# Allegro board buddy_lay_rev1.brd (continued)
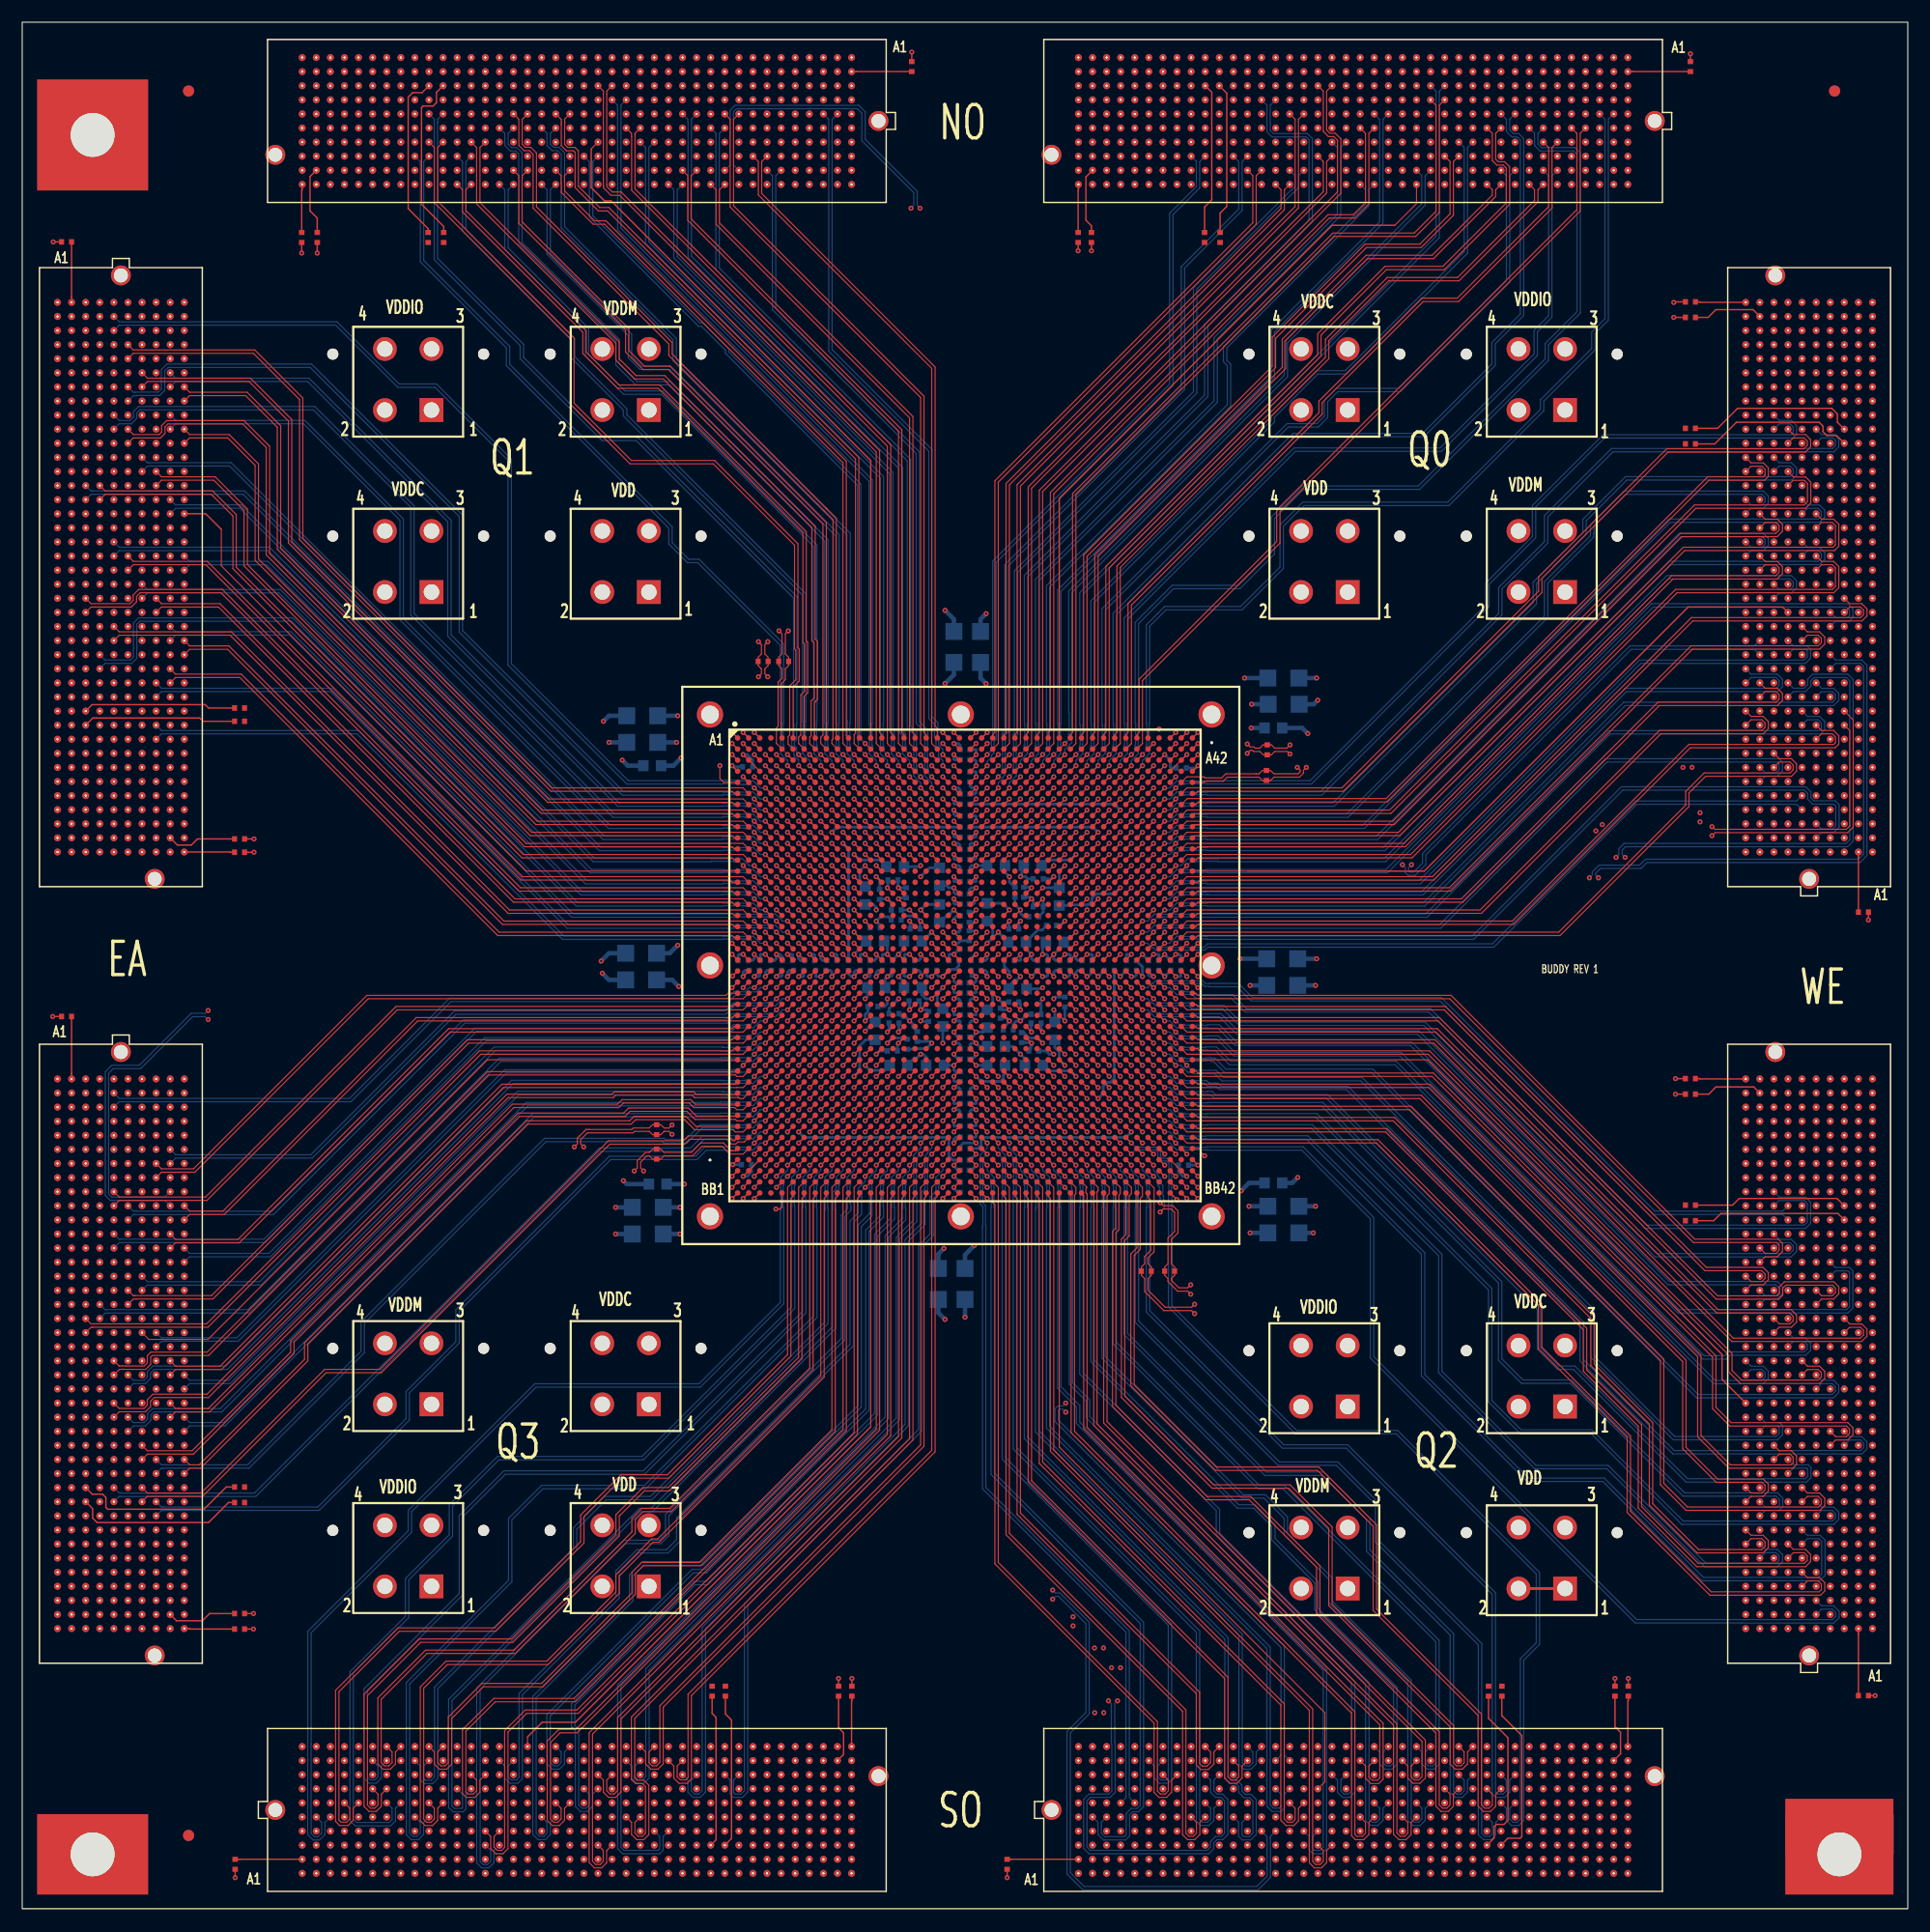
[diagram p0: board, top side]
## Nets (continued)
J8.G23(GND#G23) J8.G26(GND#G26) J8.G29(GND#G29) J8.G32(GND#G32) J8.G35(GND#G35) J8.G38(GND#G38) J8.G40(GND#G40) J8.H2(PRSNT_M2C_L) J8.H3(GND#H3) J8.H6(GND#H6) J8.H9(GND#H9) J8.H12(GND#H12) J8.H15(GND#H15) J8.H18(GND#H18) J8.H21(GND#H21) J8.H24(GND#H24) J8.H27(GND#H27) J8.H30(GND#H30) J8.H33(GND#H33) J8.H36(GND#H36) J8.H39(GND#H39) J8.J1(GND#J1) J8.J4(GND#J4) J8.J5(GND#J5) J8.J8(GND#J8) J8.J11(GND#J11) J8.J14(GND#J14) J8.J17(GND#J17) J8.J20(GND#J20) J8.J23(GND#J23) J8.J26(GND#J26) J8.J29(GND#J29) J8.J32(GND#J32) J8.J35(GND#J35) J8.J38(GND#J38) J8.J40(GND#J40) J8.K2(GND#K2) J8.K3(GND#K3) J8.K6(GND#K6) J8.K9(GND#K9) J8.K12(GND#K12) J8.K15(GND#K15) J8.K18(GND#K18) J8.K21(GND#K21) J8.K24(GND#K24) J8.K27(GND#K27) J8.K30(GND#K30) J8.K33(GND#K33) J8.K36(GND#K36) J8.K39(GND#K39) J9.1 J9.2 J10.1 J10.2 J11.1 J11.2 J12.1 J12.2 J13.1 J13.2 J14.1 J14.2 J15.1 J15.2 J16.1 J16.2 J17.1 J17.2 J18.1 J18.2 J19.1 J19.2 J20.1 J20.2 J21.1 J21.2 J22.1 J22.2 J23.1 J23.2 J24.1 J24.2 U1.A2(VSS90) U1.A3(VSS95) U1.A20(VSS92) U1.A23(VSS91) U1.A40(VSS93) U1.A41(VSS94) U1.AA2(VSS269) U1.AA4(VSS263) U1.AA6(VSS259) U1.AA8(VSS266) U1.AA10(VSS255) U1.AA12(VSS261) U1.AA14(VSS267) U1.AA16(VSS260) U1.AA18(VSS256) U1.AA20(VSS254) U1.AA23(VSS262) U1.AA25(VSS252) U1.AA27(VSS265) U1.AA29(VSS253) U1.AA31(VSS271) U1.AA33(VSS257) U1.AA35(VSS268) U1.AA37(VSS270) U1.AA39(VSS264) U1.AA41(VSS258) U1.AB2(VSS137) U1.AB4(VSS132) U1.AB6(VSS141) U1.AB8(VSS139) U1.AB10(VSS145) U1.AB12(VSS134) U1.AB14(VSS140) U1.AB16(VSS149) U1.AB18(VSS144) U1.AB20(VSS146) U1.AB23(VSS133) U1.AB25(VSS147) U1.AB27(VSS131) U1.AB29(VSS148) U1.AB31(VSS136) U1.AB33(VSS143) U1.AB35(VSS138) U1.AB37(VSS135) U1.AB39(VSS130) U1.AB41(VSS142) U1.AC1(VSS114) U1.AC2(VSS115) U1.AC19(VSS117) U1.AC21(VSS110) U1.AC22(VSS112) U1.AC24(VSS113) U1.AC41(VSS111) U1.AC42(VSS116) U1.AD4(VSS98) U1.AD20(VSS99) U1.AD23(VSS96) U1.AD39(VSS97) U1.AE3(VSS218) U1.AE17(VSS219) U1.AE21(VSS220) U1.AE22(VSS222) U1.AE26(VSS223) U1.AE40(VSS221) U1.AF6(VSS121) U1.AF18(VSS120) U1.AF25(VSS119) U1.AF37(VSS118) U1.AG5(VSS66) U1.AG15(VSS67) U1.AG21(VSS69) U1.AG22(VSS68) U1.AG28(VSS64) U1.AG38(VSS65) U1.AH8(VSS32) U1.AH16(VSS33) U1.AH27(VSS30) U1.AH35(VSS31) U1.AJ7(VSS215) U1.AJ9(VSS210) U1.AJ13(VSS217) U1.AJ21(VSS211) U1.AJ22(VSS213) U1.AJ30(VSS214) U1.AJ34(VSS212) U1.AJ36(VSS216) U1.AK14(VSS163) U1.AK29(VSS162) U1.AL9(VSS14) U1.AL11(VSS13) U1.AL21(VSS15) U1.AL22(VSS10) U1.AL32(VSS12) U1.AL34(VSS11) U1.AM9(VSS154) U1.AM10(VSS155) U1.AM12(VSS151) U1.AM31(VSS150) U1.AM33(VSS153) U1.AM34(VSS152) U1.AN9(VSS176) U1.AN11(VSS175) U1.AN21(VSS177) U1.AN22(VSS172) U1.AN32(VSS174) U1.AN34(VSS173) U1.AP10(VSS127) U1.AP11(VSS125) U1.AP12(VSS122) U1.AP14(VSS124) U1.AP29(VSS128) U1.AP31(VSS123) U1.AP32(VSS129) U1.AP33(VSS126) U1.AR7(VSS36) U1.AR15(VSS37) U1.AR21(VSS39) U1.AR22(VSS38) U1.AR28(VSS34) U1.AR36(VSS35) U1.AT8(VSS19) U1.AT14(VSS18) U1.AT29(VSS16) U1.AT35(VSS17) U1.AU5(VSS5) U1.AU17(VSS8) U1.AU21(VSS9) U1.AU22(VSS7) U1.AU26(VSS6) U1.AU38(VSS4) U1.AV6(VSS2) U1.AV16(VSS3) U1.AV27(VSS0) U1.AV37(VSS1) U1.AW3(VSS76) U1.AW19(VSS75) U1.AW21(VSS77) U1.AW22(VSS79) U1.AW24(VSS74) U1.AW40(VSS78) U1.AY1(VSS249) U1.AY2(VSS250) U1.AY4(VSS247) U1.AY18(VSS245) U1.AY25(VSS244) U1.AY39(VSS248) U1.AY41(VSS246) U1.AY42(VSS251) U1.B1(VSS57) U1.B3(VSS60) U1.B20(VSS63) U1.B21(VSS62) U1.B22(VSS59) U1.B23(VSS58) U1.B40(VSS61) U1.B42(VSS56) U1.BA1(VSS208) U1.BA3(VSS203) U1.BA20(VSS204) U1.BA21(VSS206) U1.BA22(VSS202) U1.BA23(VSS209) U1.BA40(VSS205) U1.BA42(VSS207) U1.BB2(VSS24) U1.BB3(VSS27) U1.BB20(VSS28) U1.BB23(VSS25) U1.BB40(VSS29) U1.BB41(VSS26) U1.C1(VSS167) U1.C2(VSS170) U1.C4(VSS168) U1.C18(VSS164) U1.C25(VSS165) U1.C39(VSS169) U1.C41(VSS166) U1.C42(VSS171) U1.D3(VSS83) U1.D19(VSS84) U1.D21(VSS82) U1.D22(VSS80) U1.D24(VSS85) U1.D40(VSS81) U1.E6(VSS87) U1.E16(VSS86) U1.E27(VSS89) U1.E37(VSS88) U1.F5(VSS187) U1.F17(VSS190) U1.F21(VSS189) U1.F22(VSS191) U1.F26(VSS186) U1.F38(VSS188) U1.G8(VSS101) U1.G14(VSS102) U1.G29(VSS103) U1.G35(VSS100) U1.H7(VSS51) U1.H15(VSS50) U1.H21(VSS54) U1.H22(VSS55) U1.H28(VSS53) U1.H36(VSS52) U1.J10(VSS181) U1.J11(VSS179) U1.J12(VSS185) U1.J14(VSS184) U1.J29(VSS182) U1.J31(VSS183) U1.J32(VSS178) U1.J33(VSS180) U1.K9(VSS235) U1.K11(VSS234) U1.K21(VSS233) U1.K22(VSS231) U1.K32(VSS230) U1.K34(VSS232) U1.L9(VSS199) U1.L10(VSS197) U1.L12(VSS201) U1.L31(VSS200) U1.L33(VSS198) U1.L34(VSS196) U1.M9(VSS106) U1.M11(VSS105) U1.M21(VSS104) U1.M22(VSS108) U1.M32(VSS107) U1.M34(VSS109) U1.N14(VSS41) U1.N29(VSS40) U1.P7(VSS44) U1.P9(VSS48) U1.P13(VSS43) U1.P21(VSS49) U1.P22(VSS46) U1.P30(VSS47) U1.P34(VSS45) U1.P36(VSS42) U1.R8(VSS71) U1.R16(VSS73) U1.R27(VSS72) U1.R35(VSS70) U1.T5(VSS161) U1.T15(VSS160) U1.T21(VSS157) U1.T22(VSS156) U1.T28(VSS159) U1.T38(VSS158) U1.U6(VSS193) U1.U18(VSS194) U1.U25(VSS195) U1.U37(VSS192) U1.V3(VSS227) U1.V17(VSS226) U1.V21(VSS229) U1.V22(VSS225) U1.V26(VSS224) U1.V40(VSS228) U1.W4(VSS21) U1.W20(VSS23) U1.W23(VSS22) U1.W39(VSS20) U1.Y1(VSS242) U1.Y2(VSS241) U1.Y19(VSS240) U1.Y21(VSS238) U1.Y22(VSS236) U1.Y24(VSS243) U1.Y41(VSS237) U1.Y42(VSS239)
CLK_C2M_N0_EA: J8.K5(CLK2_BIDIR_N)
CLK_C2M_N0_EA1: J7.K5(CLK2_BIDIR_N)
CLK_C2M_N0_EA2: J6.K5(CLK2_BIDIR_N)
CLK_C2M_N0_EA3: J5.K5(CLK2_BIDIR_N)
CLK_C2M_N0_EA4: J4.K5(CLK2_BIDIR_N)
CLK_C2M_N0_EA5: J3.K5(CLK2_BIDIR_N)
CLK_C2M_N0_EA6: J2.K5(CLK2_BIDIR_N)
CLK_C2M_N0_EA7: J1.K5(CLK2_BIDIR_N)
CLK_C2M_N1_EA: J8.J3(CLK3_BIDIR_N)
CLK_C2M_N1_EA1: J7.J3(CLK3_BIDIR_N)
CLK_C2M_N1_EA2: J6.J3(CLK3_BIDIR_N)
CLK_C2M_N1_EA3: J5.J3(CLK3_BIDIR_N)
CLK_C2M_N1_EA4: J4.J3(CLK3_BIDIR_N)
CLK_C2M_N1_EA5: J3.J3(CLK3_BIDIR_N)
CLK_C2M_N1_EA6: J2.J3(CLK3_BIDIR_N)
CLK_C2M_N1_EA7: J1.J3(CLK3_BIDIR_N)
CLK_C2M_P0_EA: J8.K4(CLK2_BIDIR_P)
CLK_C2M_P0_EA1: J7.K4(CLK2_BIDIR_P)
CLK_C2M_P0_EA2: J6.K4(CLK2_BIDIR_P)
CLK_C2M_P0_EA3: J5.K4(CLK2_BIDIR_P)
CLK_C2M_P0_EA4: J4.K4(CLK2_BIDIR_P)
CLK_C2M_P0_EA5: J3.K4(CLK2_BIDIR_P)
CLK_C2M_P0_EA6: J2.K4(CLK2_BIDIR_P)
CLK_C2M_P0_EA7: J1.K4(CLK2_BIDIR_P)
CLK_C2M_P1_EA: J8.J2(CLK3_BIDIR_P)
CLK_C2M_P1_EA1: J7.J2(CLK3_BIDIR_P)
CLK_C2M_P1_EA2: J6.J2(CLK3_BIDIR_P)
CLK_C2M_P1_EA3: J5.J2(CLK3_BIDIR_P)
CLK_C2M_P1_EA4: J4.J2(CLK3_BIDIR_P)
CLK_C2M_P1_EA5: J3.J2(CLK3_BIDIR_P)
CLK_C2M_P1_EA6: J2.J2(CLK3_BIDIR_P)
CLK_C2M_P1_EA7: J1.J2(CLK3_BIDIR_P)
CLK_M2C_N0_EA: J8.H5(CLK0_M2C_N)
CLK_M2C_N0_EA1: J7.H5(CLK0_M2C_N)
CLK_M2C_N0_EA2: J6.H5(CLK0_M2C_N)
CLK_M2C_N0_EA3: J5.H5(CLK0_M2C_N)
CLK_M2C_N0_EA4: J4.H5(CLK0_M2C_N)
CLK_M2C_N0_EA5: J3.H5(CLK0_M2C_N)
CLK_M2C_N0_EA6: J2.H5(CLK0_M2C_N)
CLK_M2C_N0_EA7: J1.H5(CLK0_M2C_N)
CLK_M2C_N1_EA: J8.G3(CLK1_M2C_N)
CLK_M2C_N1_EA1: J7.G3(CLK1_M2C_N)
CLK_M2C_N1_EA2: J6.G3(CLK1_M2C_N)
CLK_M2C_N1_EA3: J5.G3(CLK1_M2C_N)
CLK_M2C_N1_EA4: J4.G3(CLK1_M2C_N)
CLK_M2C_N1_EA5: J3.G3(CLK1_M2C_N)
CLK_M2C_N1_EA6: J2.G3(CLK1_M2C_N)
CLK_M2C_N1_EA7: J1.G3(CLK1_M2C_N)
CLK_M2C_P0_EA: J8.H4(CLK0_M2C_P)
CLK_M2C_P0_EA1: J7.H4(CLK0_M2C_P)
CLK_M2C_P0_EA2: J6.H4(CLK0_M2C_P)
CLK_M2C_P0_EA3: J5.H4(CLK0_M2C_P)
CLK_M2C_P0_EA4: J4.H4(CLK0_M2C_P)
CLK_M2C_P0_EA5: J3.H4(CLK0_M2C_P)
CLK_M2C_P0_EA6: J2.H4(CLK0_M2C_P)
CLK_M2C_P0_EA7: J1.H4(CLK0_M2C_P)
CLK_M2C_P1_EA: J8.G2(CLK1_M2C_P)
CLK_M2C_P1_EA1: J7.G2(CLK1_M2C_P)
CLK_M2C_P1_EA2: J6.G2(CLK1_M2C_P)
CLK_M2C_P1_EA3: J5.G2(CLK1_M2C_P)
CLK_M2C_P1_EA4: J4.G2(CLK1_M2C_P)
CLK_M2C_P1_EA5: J3.G2(CLK1_M2C_P)
CLK_M2C_P1_EA6: J2.G2(CLK1_M2C_P)
CLK_M2C_P1_EA7: J1.G2(CLK1_M2C_P)
CTRL_N0_EA: J8.J31(HB11_N)
CTRL_N0_EA1: J7.J31(HB11_N)
CTRL_N0_EA2: J6.J31(HB11_N)
CTRL_N0_EA3: J5.J31(HB11_N)
CTRL_N0_EA4: J4.J31(HB11_N)
CTRL_N0_EA5: J3.J31(HB11_N)
CTRL_N0_EA6: J2.J31(HB11_N)
CTRL_N0_EA7: J1.J31(HB11_N)
CTRL_N1_EA: J8.K32(HB10_N)
CTRL_N1_EA1: J7.K32(HB10_N)
CTRL_N1_EA2: J6.K32(HB10_N)
CTRL_N1_EA3: J5.K32(HB10_N)
CTRL_N1_EA4: J4.K32(HB10_N)
CTRL_N1_EA5: J3.K32(HB10_N)
CTRL_N1_EA6: J2.K32(HB10_N)
CTRL_N1_EA7: J1.K32(HB10_N)
CTRL_N2_EA: J8.E34(HB19_N)
CTRL_N2_EA1: J7.E34(HB19_N)
CTRL_N2_EA2: J6.E34(HB19_N)
CTRL_N2_EA3: J5.E34(HB19_N)
CTRL_N2_EA4: J4.E34(HB19_N)
CTRL_N2_EA5: J3.E34(HB19_N)
CTRL_N2_EA6: J2.E34(HB19_N)
CTRL_N2_EA7: J1.E34(HB19_N)
CTRL_N3_EA: J8.F35(HB16_N)
CTRL_N3_EA1: J7.F35(HB16_N)
CTRL_N3_EA2: J6.F35(HB16_N)
CTRL_N3_EA3: J5.F35(HB16_N)
CTRL_N3_EA4: J4.F35(HB16_N)
CTRL_N3_EA5: J3.F35(HB16_N)
CTRL_N3_EA6: J2.F35(HB16_N)
CTRL_N3_EA7: J1.F35(HB16_N)
CTRL_N4_EA: J8.G34(LA31_N)
CTRL_N4_EA1: J7.G34(LA31_N)
CTRL_N4_EA2: J6.G34(LA31_N)
CTRL_N4_EA3: J5.G34(LA31_N)
CTRL_N4_EA4: J4.G34(LA31_N)
CTRL_N4_EA5: J3.G34(LA31_N)
CTRL_N4_EA6: J2.G34(LA31_N)
CTRL_N4_EA7: J1.G34(LA31_N)
CTRL_N5_EA: J8.H35(LA30_N)
CTRL_N5_EA1: J7.H35(LA30_N)
CTRL_N5_EA2: J6.H35(LA30_N)
CTRL_N5_EA3: J5.H35(LA30_N)
CTRL_N5_EA4: J4.H35(LA30_N)
CTRL_N5_EA5: J3.H35(LA30_N)
CTRL_N5_EA6: J2.H35(LA30_N)
CTRL_N5_EA7: J1.H35(LA30_N)
CTRL_N6_EA: J8.J34(HB15_N)
CTRL_N6_EA1: J7.J34(HB15_N)
CTRL_N6_EA2: J6.J34(HB15_N)
CTRL_N6_EA3: J5.J34(HB15_N)
CTRL_N6_EA4: J4.J34(HB15_N)
CTRL_N6_EA5: J3.J34(HB15_N)
CTRL_N6_EA6: J2.J34(HB15_N)
CTRL_N6_EA7: J1.J34(HB15_N)
CTRL_N7_EA: J8.K35(HB14_N)
CTRL_N7_EA1: J7.K35(HB14_N)
CTRL_N7_EA2: J6.K35(HB14_N)
CTRL_N7_EA3: J5.K35(HB14_N)
CTRL_N7_EA4: J4.K35(HB14_N)
CTRL_N7_EA5: J3.K35(HB14_N)
CTRL_N7_EA6: J2.K35(HB14_N)
CTRL_N7_EA7: J1.K35(HB14_N)
CTRL_N8_EA: J8.E37(HB21_N)
CTRL_N8_EA1: J7.E37(HB21_N)
CTRL_N8_EA2: J6.E37(HB21_N)
CTRL_N8_EA3: J5.E37(HB21_N)
CTRL_N8_EA4: J4.E37(HB21_N)
CTRL_N8_EA5: J3.E37(HB21_N)
CTRL_N8_EA6: J2.E37(HB21_N)
CTRL_N8_EA7: J1.E37(HB21_N)
CTRL_N9_EA: J8.F38(HB20_N)
CTRL_N9_EA1: J7.F38(HB20_N)
CTRL_N9_EA2: J6.F38(HB20_N)
CTRL_N9_EA3: J5.F38(HB20_N)
CTRL_N9_EA4: J4.F38(HB20_N)
CTRL_N9_EA5: J3.F38(HB20_N)
CTRL_N9_EA6: J2.F38(HB20_N)
CTRL_N9_EA7: J1.F38(HB20_N)
CTRL_N10_EA: J8.G37(LA33_N)
CTRL_N10_EA1: J7.G37(LA33_N)
CTRL_N10_EA2: J6.G37(LA33_N)
CTRL_N10_EA3: J5.G37(LA33_N)
CTRL_N10_EA4: J4.G37(LA33_N)
CTRL_N10_EA5: J3.G37(LA33_N)
CTRL_N10_EA6: J2.G37(LA33_N)
CTRL_N10_EA7: J1.G37(LA33_N)
CTRL_N11_EA: J8.H38(LA32_N)
CTRL_N11_EA1: J7.H38(LA32_N)
CTRL_N11_EA2: J6.H38(LA32_N)
CTRL_N11_EA3: J5.H38(LA32_N)
CTRL_N11_EA4: J4.H38(LA32_N)
CTRL_N11_EA5: J3.H38(LA32_N)
CTRL_N11_EA6: J2.H38(LA32_N)
CTRL_N11_EA7: J1.H38(LA32_N)
CTRL_N12_EA: J8.J37(HB18_N)
CTRL_N12_EA1: J7.J37(HB18_N)
CTRL_N12_EA2: J6.J37(HB18_N)
CTRL_N12_EA3: J5.J37(HB18_N)
CTRL_N12_EA4: J4.J37(HB18_N)
CTRL_N12_EA5: J3.J37(HB18_N)
CTRL_N12_EA6: J2.J37(HB18_N)
CTRL_N12_EA7: J1.J37(HB18_N)
CTRL_N13_EA: J8.K38(HB17_N_CC)
CTRL_N13_EA1: J7.K38(HB17_N_CC)
CTRL_N13_EA2: J6.K38(HB17_N_CC)
CTRL_N13_EA3: J5.K38(HB17_N_CC)
CTRL_N13_EA4: J4.K38(HB17_N_CC)
CTRL_N13_EA5: J3.K38(HB17_N_CC)
CTRL_N13_EA6: J2.K38(HB17_N_CC)
CTRL_N13_EA7: J1.K38(HB17_N_CC)
CTRL_P0_EA1: J7.J30(HB11_P)
CTRL_P0_EA3: J5.J30(HB11_P)
CTRL_P0_EA4: J4.J30(HB11_P)
CTRL_P0_EA6: J2.J30(HB11_P)
CTRL_P1_EA1: J7.K31(HB10_P)
CTRL_P1_EA3: J5.K31(HB10_P)
CTRL_P1_EA4: J4.K31(HB10_P)
CTRL_P1_EA6: J2.K31(HB10_P)
CTRL_P2_EA1: J7.E33(HB19_P)
CTRL_P2_EA3: J5.E33(HB19_P)
CTRL_P2_EA4: J4.E33(HB19_P)
CTRL_P2_EA6: J2.E33(HB19_P)
CTRL_P3_EA1: J7.F34(HB16_P)
CTRL_P3_EA3: J5.F34(HB16_P)
CTRL_P3_EA4: J4.F34(HB16_P)
CTRL_P3_EA6: J2.F34(HB16_P)
CTRL_P4_EA1: J7.G33(LA31_P)
CTRL_P4_EA3: J5.G33(LA31_P)
CTRL_P4_EA4: J4.G33(LA31_P)
CTRL_P4_EA6: J2.G33(LA31_P)
CTRL_P5_EA1: J7.H34(LA30_P)
CTRL_P5_EA3: J5.H34(LA30_P)
CTRL_P5_EA4: J4.H34(LA30_P)
CTRL_P5_EA6: J2.H34(LA30_P)
CTRL_P6_EA1: J7.J33(HB15_P)
CTRL_P6_EA3: J5.J33(HB15_P)
CTRL_P6_EA4: J4.J33(HB15_P)
CTRL_P6_EA6: J2.J33(HB15_P)
CTRL_P7_EA1: J7.K34(HB14_P)
CTRL_P7_EA3: J5.K34(HB14_P)
CTRL_P7_EA4: J4.K34(HB14_P)
CTRL_P7_EA6: J2.K34(HB14_P)
CTRL_P8_EA1: J7.E36(HB21_P)
CTRL_P8_EA3: J5.E36(HB21_P)
CTRL_P8_EA4: J4.E36(HB21_P)
CTRL_P8_EA6: J2.E36(HB21_P)
CTRL_P9_EA1: J7.F37(HB20_P)
CTRL_P9_EA3: J5.F37(HB20_P)
CTRL_P9_EA4: J4.F37(HB20_P)
CTRL_P9_EA6: J2.F37(HB20_P)
CTRL_P10_EA1: J7.G36(LA33_P)
CTRL_P10_EA3: J5.G36(LA33_P)
CTRL_P10_EA4: J4.G36(LA33_P)
CTRL_P10_EA6: J2.G36(LA33_P)
CTRL_P11_EA1: J7.H37(LA32_P)
CTRL_P11_EA3: J5.H37(LA32_P)
CTRL_P11_EA4: J4.H37(LA32_P)
CTRL_P11_EA6: J2.H37(LA32_P)
CTRL_P12_EA1: J7.J36(HB18_P)
CTRL_P12_EA3: J5.J36(HB18_P)
CTRL_P12_EA4: J4.J36(HB18_P)
CTRL_P12_EA6: J2.J36(HB18_P)
CTRL_P13_EA1: J7.K37(HB17_P_CC)
CTRL_P13_EA3: J5.K37(HB17_P_CC)
CTRL_P13_EA4: J4.K37(HB17_P_CC)
CTRL_P13_EA6: J2.K37(HB17_P_CC)
EA_3P3V: J7.C39(3P3V) J7.D36(3P3V#D36) J7.D38(3P3V#D38) J7.D40(3P3V#D40) J8.C39(3P3V) J8.D36(3P3V#D36) J8.D38(3P3V#D38) J8.D40(3P3V#D40) R102.2 R104.2
EA_12P0V: J7.C35(12P0V#C35) J7.C37(12P0V#C37) J8.C35(12P0V#C35) J8.C37(12P0V#C37)
EA_CTRL0: J8.J30(HB11_P) U1.E4(EACTRL0)
EA_CTRL1: J8.K31(HB10_P) U1.E3(EACTRL1)
EA_CTRL2: J8.E33(HB19_P) U1.E2(EACTRL2)
EA_CTRL3: J8.F34(HB16_P) U1.E1(EACTRL3)
EA_CTRL4: J8.G33(LA31_P)
EA_CTRL5: J8.H34(LA30_P)
EA_CTRL6: J8.J33(HB15_P)
EA_CTRL7: J8.K34(HB14_P)
EA_CTRL8: J8.E36(HB21_P)
EA_CTRL9: J8.F37(HB20_P)
EA_CTRL10: J8.G36(LA33_P)
EA_CTRL11: J8.H37(LA32_P)
EA_CTRL12: J8.J36(HB18_P)
EA_CTRL13: J8.K37(HB17_P_CC)
EA_HS_C2M_N0: J8.C3(DP0_C2M_N) R95.1 U1.AV1(EA_RX_N)
EA_HS_C2M_N1: J8.A23(DP1_C2M_N)
EA_HS_C2M_N2: J8.A27(DP2_C2M_N)
EA_HS_C2M_N3: J8.A31(DP3_C2M_N)
EA_HS_C2M_N4: J8.A35(DP4_C2M_N)
EA_HS_C2M_N5: J8.A39(DP5_C2M_N)
EA_HS_C2M_N6: J8.B37(DP6_C2M_N)
EA_HS_C2M_N7: J8.B33(DP7_C2M_N)
EA_HS_C2M_N8: J8.B29(DP8_C2M_N)
EA_HS_C2M_N9: J8.B25(DP9_C2M_N)
EA_HS_C2M_P0: J8.C2(DP0_C2M_P) R95.2 U1.AV2(EA_RX_P)
EA_HS_C2M_P1: J8.A22(DP1_C2M_P)
EA_HS_C2M_P2: J8.A26(DP2_C2M_P)
EA_HS_C2M_P3: J8.A30(DP3_C2M_P)
EA_HS_C2M_P4: J8.A34(DP4_C2M_P)
EA_HS_C2M_P5: J8.A38(DP5_C2M_P)
EA_HS_C2M_P6: J8.B36(DP6_C2M_P)
EA_HS_C2M_P7: J8.B32(DP7_C2M_P)
EA_HS_C2M_P8: J8.B28(DP8_C2M_P)
EA_HS_C2M_P9: J8.B24(DP9_C2M_P)
EA_HS_M2C_N0: J8.C7(DP0_M2C_N) R96.1 U1.AV3(EA_TX_N)
EA_HS_M2C_N1: J8.A3(DP1_M2C_N)
EA_HS_M2C_N2: J8.A7(DP2_M2C_N)
EA_HS_M2C_N3: J8.A11(DP3_M2C_N)
EA_HS_M2C_N4: J8.A15(DP4_M2C_N)
EA_HS_M2C_N5: J8.A19(DP5_M2C_N)
EA_HS_M2C_N6: J8.B17(DP6_M2C_N)
EA_HS_M2C_N7: J8.B13(DP7_M2C_N)
EA_HS_M2C_N8: J8.B9(DP8_M2C_N)
EA_HS_M2C_N9: J8.B5(DP9_M2C_N)
EA_HS_M2C_P0: J8.C6(DP0_M2C_P) R96.2 U1.AV4(EA_TX_P)
EA_HS_M2C_P1: J8.A2(DP1_M2C_P)
EA_HS_M2C_P2: J8.A6(DP2_M2C_P)
EA_HS_M2C_P3: J8.A10(DP3_M2C_P)
EA_HS_M2C_P4: J8.A14(DP4_M2C_P)
EA_HS_M2C_P5: J8.A18(DP5_M2C_P)
EA_HS_M2C_P6: J8.B16(DP6_M2C_P)
EA_HS_M2C_P7: J8.B12(DP7_M2C_P)
EA_HS_M2C_P8: J8.B8(DP8_M2C_P)
EA_HS_M2C_P9: J8.B4(DP9_M2C_P)
EA_N0: J8.E3(HA01_N_CC) U1.F3(EA_N0)
EA_N1: J8.F5(HA00_N_CC) U1.F1(EA_N1)
EA_N2: J8.E7(HA05_N) U1.G5(EA_N2)
EA_N3: J8.F8(HA04_N) U1.G3(EA_N3)
EA_N4: J8.G7(LA00_N_CC) U1.G1(EA_N4)
EA_N5: J8.H8(LA02_N) U1.H5(EA_N5)
EA_N6: J8.J7(HA03_N) U1.H3(EA_N6)
EA_N7: J8.K8(HA02_N) U1.H1(EA_N7)
EA_N8: J8.C11(LA06_N) U1.J7(EA_N8)
EA_N9: J8.D9(LA01_N_CC) U1.J5(EA_N9)
EA_N10: J8.E10(HA09_N) U1.J3(EA_N10)
EA_N11: J8.F11(HA08_N) U1.J1(EA_N11)
EA_N12: J8.G10(LA03_N) U1.K7(EA_N12)
EA_N13: J8.H11(LA04_N) U1.K5(EA_N13)
EA_N14: J8.J10(HA07_N) U1.K3(EA_N14)
EA_N15: J8.K11(HA06_N) U1.K1(EA_N15)
EA_N16: J8.E13(HA13_N) U1.L7(EA_N16)
EA_N17: J8.F14(HA12_N) U1.L5(EA_N17)
EA_N18: J8.G13(LA08_N) U1.L3(EA_N18)
EA_N19: J8.H14(LA07_N) U1.L1(EA_N19)
EA_N20: J8.J13(HA11_N) U1.M7(EA_N20)
EA_N21: J8.K14(HA10_N) U1.M5(EA_N21)
EA_N22: J8.C15(LA10_N) U1.M3(EA_N22)
EA_N23: J8.D15(LA09_N) U1.M1(EA_N23)
EA_N24: J8.E16(HA16_N) U1.N11(EA_N24)
EA_N25: J8.F17(HA15_N) U1.N8(EA_N25)
EA_N26: J8.G16(LA12_N) U1.N6(EA_N26)
EA_N27: J8.H17(LA11_N) U1.N4(EA_N27)
EA_N28: J8.J16(HA14_N) U1.N2(EA_N28)
EA_N29: J8.K17(HA17_N_CC) U1.P12(EA_N29)
EA_N30: J8.C19(LA14_N) U1.P10(EA_N30)
EA_N31: J8.D18(LA13_N) U1.P5(EA_N31)
EA_N32: J8.E19(HA20_N) U1.P3(EA_N32)
EA_N33: J8.F20(HA19_N) U1.P1(EA_N33)
EA_N34: J8.G19(LA16_N) U1.R11(EA_N34)
EA_N35: J8.H20(LA15_N) U1.R9(EA_N35)
EA_N36: J8.J19(HA18_N) U1.R5(EA_N36)
EA_N37: J8.K20(HA21_N) U1.R3(EA_N37)
EA_N38: J8.C23(LA18_N_CC) U1.R1(EA_N38)
EA_N39: J8.D21(LA17_N_CC) U1.T11(EA_N39)
EA_N40: J8.E22(HB03_N) U1.T9(EA_N40)
EA_N41: J8.F23(HB02_N) U1.T7(EA_N41)
EA_N42: J8.G22(LA20_N) U1.T3(EA_N42)
EA_N43: J8.H23(LA19_N) U1.T1(EA_N43)
EA_N44: J8.J22(HA22_N) U1.U11(EA_N44)
EA_N45: J8.K23(HA23_N) U1.U9(EA_N45)
EA_N46: J8.C27(LA27_N) U1.U7(EA_N46)
EA_N47: J8.D27(LA26_N) U1.U3(EA_N47)
EA_N48: J8.E25(HB05_N) U1.U1(EA_N48)
EA_N49: J8.F26(HB04_N) U1.V11(EA_N49)
EA_N50: J8.G25(LA22_N) U1.V9(EA_N50)
EA_N51: J8.H26(LA21_N) U1.V7(EA_N51)
EA_N52: J8.J25(HB01_N) U1.V5(EA_N52)
EA_N53: J8.K26(HB00_N_CC) U1.V1(EA_N53)
EA_N54: J8.E28(HB09_N) U1.W11(EA_N54)
EA_N55: J8.F29(HB08_N) U1.W9(EA_N55)
EA_N56: J8.G28(LA25_N) U1.W7(EA_N56)
EA_N57: J8.H29(LA24_N) U1.W5(EA_N57)
EA_N58: J8.J28(HB07_N) U1.W1(EA_N58)
EA_N59: J8.K29(HB06_N_CC) U1.Y11(EA_N59)
EA_N60: J8.E31(HB13_N) U1.Y9(EA_N60)
EA_N61: J8.F32(HB12_N) U1.Y7(EA_N61)
EA_N62: J8.G31(LA29_N) U1.Y5(EA_N62)
EA_N63: J8.H32(LA28_N) U1.Y3(EA_N63)
EA_N64: J7.E3(HA01_N_CC) U1.AC4(EA_N64)
EA_N65: J7.F5(HA00_N_CC) U1.AC6(EA_N65)
EA_N66: J7.E7(HA05_N) U1.AC8(EA_N66)
EA_N67: J7.F8(HA04_N) U1.AC10(EA_N67)
EA_N68: J7.G7(LA00_N_CC) U1.AC12(EA_N68)
EA_N69: J7.H8(LA02_N) U1.AD2(EA_N69)
EA_N70: J7.J7(HA03_N) U1.AD6(EA_N70)
EA_N71: J7.K8(HA02_N) U1.AD8(EA_N71)
EA_N72: J7.C11(LA06_N) U1.AD10(EA_N72)
EA_N73: J7.D9(LA01_N_CC) U1.AD12(EA_N73)
EA_N74: J7.E10(HA09_N) U1.AE2(EA_N74)
EA_N75: J7.F11(HA08_N) U1.AE6(EA_N75)
EA_N76: J7.G10(LA03_N) U1.AE8(EA_N76)
EA_N77: J7.H11(LA04_N) U1.AE10(EA_N77)
EA_N78: J7.J10(HA07_N) U1.AE12(EA_N78)
EA_N79: J7.K11(HA06_N) U1.AF2(EA_N79)
EA_N80: J7.E13(HA13_N) U1.AF4(EA_N80)
EA_N81: J7.F14(HA12_N) U1.AF8(EA_N81)
EA_N82: J7.G13(LA08_N) U1.AF10(EA_N82)
EA_N83: J7.H14(LA07_N) U1.AF12(EA_N83)
EA_N84: J7.J13(HA11_N) U1.AG2(EA_N84)
EA_N85: J7.K14(HA10_N) U1.AG4(EA_N85)
EA_N86: J7.C15(LA10_N) U1.AG8(EA_N86)
EA_N87: J7.D15(LA09_N) U1.AG10(EA_N87)
EA_N88: J7.E16(HA16_N) U1.AG12(EA_N88)
EA_N89: J7.F17(HA15_N) U1.AH2(EA_N89)
EA_N90: J7.G16(LA12_N) U1.AH4(EA_N90)
EA_N91: J7.H17(LA11_N) U1.AH6(EA_N91)
EA_N92: J7.J16(HA14_N) U1.AH10(EA_N92)
EA_N93: J7.K17(HA17_N_CC) U1.AH12(EA_N93)
EA_N94: J7.C19(LA14_N) U1.AJ2(EA_N94)
EA_N95: J7.D18(LA13_N) U1.AJ4(EA_N95)
EA_N96: J7.E19(HA20_N) U1.AJ6(EA_N96)
EA_N97: J7.F20(HA19_N) U1.AJ11(EA_N97)
EA_N98: J7.G19(LA16_N) U1.AK1(EA_N98)
EA_N99: J7.H20(LA15_N) U1.AK3(EA_N99)
EA_N100: J7.J19(HA18_N) U1.AK5(EA_N100)
EA_N101: J7.K20(HA21_N) U1.AK7(EA_N101)
EA_N102: J7.C23(LA18_N_CC) U1.AK10(EA_N102)
EA_N103: J7.D21(LA17_N_CC) U1.AK12(EA_N103)
EA_N104: J7.E22(HB03_N) U1.AL2(EA_N104)
EA_N105: J7.F23(HB02_N) U1.AL4(EA_N105)
EA_N106: J7.G22(LA20_N) U1.AL6(EA_N106)
EA_N107: J7.H23(LA19_N) U1.AL8(EA_N107)
EA_N108: J7.J22(HA22_N) U1.AM2(EA_N108)
EA_N109: J7.K23(HA23_N) U1.AM4(EA_N109)
EA_N110: J7.C27(LA27_N) U1.AM6(EA_N110)
EA_N111: J7.D27(LA26_N) U1.AM8(EA_N111)
EA_N112: J7.E25(HB05_N) U1.AN2(EA_N112)
EA_N113: J7.F26(HB04_N) U1.AN4(EA_N113)
EA_N114: J7.G25(LA22_N) U1.AN6(EA_N114)
EA_N115: J7.H26(LA21_N) U1.AN8(EA_N115)
EA_N116: J7.J25(HB01_N) U1.AP2(EA_N116)
EA_N117: J7.K26(HB00_N_CC) U1.AP4(EA_N117)
EA_N118: J7.E28(HB09_N) U1.AP6(EA_N118)
EA_N119: J7.F29(HB08_N) U1.AP8(EA_N119)
EA_N120: J7.G28(LA25_N) U1.AR2(EA_N120)
EA_N121: J7.H29(LA24_N) U1.AR4(EA_N121)
EA_N122: J7.J28(HB07_N) U1.AR6(EA_N122)
EA_N123: J7.K29(HB06_N_CC) U1.AT2(EA_N123)
EA_N124: J7.E31(HB13_N) U1.AT4(EA_N124)
EA_N125: J7.F32(HB12_N) U1.AT6(EA_N125)
EA_N126: J7.G31(LA29_N) U1.AU2(EA_N126)
EA_N127: J7.H32(LA28_N) U1.AU4(EA_N127)
EA_P0: J8.E2(HA01_P_CC) U1.F4(EA_P0)
EA_P1: J8.F4(HA00_P_CC) U1.F2(EA_P1)
EA_P2: J8.E6(HA05_P) U1.G6(EA_P2)
EA_P3: J8.F7(HA04_P) U1.G4(EA_P3)
EA_P4: J8.G6(LA00_P_CC) U1.G2(EA_P4)
EA_P5: J8.H7(LA02_P) U1.H6(EA_P5)
EA_P6: J8.J6(HA03_P) U1.H4(EA_P6)
EA_P7: J8.K7(HA02_P) U1.H2(EA_P7)
EA_P8: J8.C10(LA06_P) U1.J8(EA_P8)
EA_P9: J8.D8(LA01_P_CC) U1.J6(EA_P9)
EA_P10: J8.E9(HA09_P) U1.J4(EA_P10)
EA_P11: J8.F10(HA08_P) U1.J2(EA_P11)
EA_P12: J8.G9(LA03_P) U1.K8(EA_P12)
EA_P13: J8.H10(LA04_P) U1.K6(EA_P13)
EA_P14: J8.J9(HA07_P) U1.K4(EA_P14)
EA_P15: J8.K10(HA06_P) U1.K2(EA_P15)
EA_P16: J8.E12(HA13_P) U1.L8(EA_P16)
EA_P17: J8.F13(HA12_P) U1.L6(EA_P17)
EA_P18: J8.G12(LA08_P) U1.L4(EA_P18)
EA_P19: J8.H13(LA07_P) U1.L2(EA_P19)
EA_P20: J8.J12(HA11_P) U1.M8(EA_P20)
EA_P21: J8.K13(HA10_P) U1.M6(EA_P21)
EA_P22: J8.C14(LA10_P) U1.M4(EA_P22)
EA_P23: J8.D14(LA09_P) U1.M2(EA_P23)
EA_P24: J8.E15(HA16_P) U1.N12(EA_P24)
EA_P25: J8.F16(HA15_P) U1.N10(EA_P25)
EA_P26: J8.G15(LA12_P) U1.N7(EA_P26)
EA_P27: J8.H16(LA11_P) U1.N5(EA_P27)
EA_P28: J8.J15(HA14_P) U1.N3(EA_P28)
EA_P29: J8.K16(HA17_P_CC) U1.N1(EA_P29)
EA_P30: J8.C18(LA14_P) U1.P11(EA_P30)
EA_P31: J8.D17(LA13_P) U1.P6(EA_P31)
EA_P32: J8.E18(HA20_P) U1.P4(EA_P32)
EA_P33: J8.F19(HA19_P) U1.P2(EA_P33)
EA_P34: J8.G18(LA16_P) U1.R12(EA_P34)
EA_P35: J8.H19(LA15_P) U1.R10(EA_P35)
EA_P36: J8.J18(HA18_P) U1.R6(EA_P36)
EA_P37: J8.K19(HA21_P) U1.R4(EA_P37)
EA_P38: J8.C22(LA18_P_CC) U1.R2(EA_P38)
EA_P39: J8.D20(LA17_P_CC) U1.T12(EA_P39)
EA_P40: J8.E21(HB03_P) U1.T10(EA_P40)
EA_P41: J8.F22(HB02_P) U1.T8(EA_P41)
EA_P42: J8.G21(LA20_P) U1.T4(EA_P42)
EA_P43: J8.H22(LA19_P) U1.T2(EA_P43)
EA_P44: J8.J21(HA22_P) U1.U12(EA_P44)
EA_P45: J8.K22(HA23_P) U1.U10(EA_P45)
EA_P46: J8.C26(LA27_P) U1.U8(EA_P46)
EA_P47: J8.D26(LA26_P) U1.U4(EA_P47)
EA_P48: J8.E24(HB05_P) U1.U2(EA_P48)
EA_P49: J8.F25(HB04_P) U1.V12(EA_P49)
EA_P50: J8.G24(LA22_P) U1.V10(EA_P50)
EA_P51: J8.H25(LA21_P) U1.V8(EA_P51)
EA_P52: J8.J24(HB01_P) U1.V6(EA_P52)
EA_P53: J8.K25(HB00_P_CC) U1.V2(EA_P53)
EA_P54: J8.E27(HB09_P) U1.W12(EA_P54)
EA_P55: J8.F28(HB08_P) U1.W10(EA_P55)
EA_P56: J8.G27(LA25_P) U1.W8(EA_P56)
EA_P57: J8.H28(LA24_P) U1.W6(EA_P57)
EA_P58: J8.J27(HB07_P) U1.W2(EA_P58)
EA_P59: J8.K28(HB06_P_CC) U1.Y12(EA_P59)
EA_P60: J8.E30(HB13_P) U1.Y10(EA_P60)
EA_P61: J8.F31(HB12_P) U1.Y8(EA_P61)
EA_P62: J8.G30(LA29_P) U1.Y6(EA_P62)
EA_P63: J8.H31(LA28_P) U1.Y4(EA_P63)
EA_P64: J7.E2(HA01_P_CC) U1.AC3(EA_P64)
EA_P65: J7.F4(HA00_P_CC) U1.AC5(EA_P65)
EA_P66: J7.E6(HA05_P) U1.AC7(EA_P66)
EA_P67: J7.F7(HA04_P) U1.AC9(EA_P67)
EA_P68: J7.G6(LA00_P_CC) U1.AC11(EA_P68)
EA_P69: J7.H7(LA02_P) U1.AD1(EA_P69)
EA_P70: J7.J6(HA03_P) U1.AD5(EA_P70)
EA_P71: J7.K7(HA02_P) U1.AD7(EA_P71)
EA_P72: J7.C10(LA06_P) U1.AD9(EA_P72)
EA_P73: J7.D8(LA01_P_CC) U1.AD11(EA_P73)
EA_P74: J7.E9(HA09_P) U1.AE1(EA_P74)
EA_P75: J7.F10(HA08_P) U1.AE5(EA_P75)
EA_P76: J7.G9(LA03_P) U1.AE7(EA_P76)
EA_P77: J7.H10(LA04_P) U1.AE9(EA_P77)
EA_P78: J7.J9(HA07_P) U1.AE11(EA_P78)
